# Altium PCB main.PcbDoc (part 1 of 2) (continued)
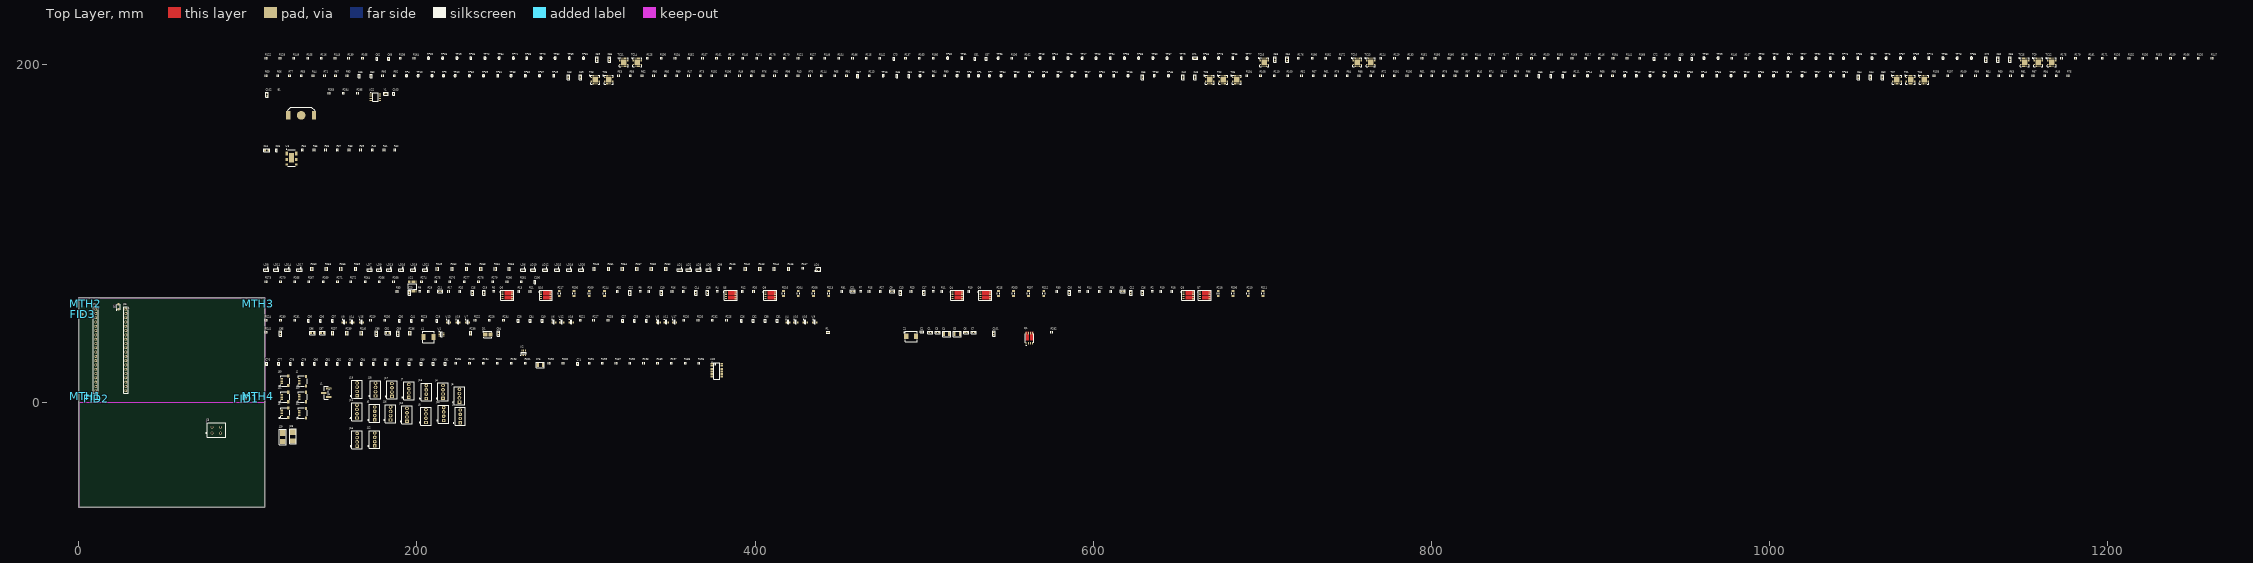
[diagram p0: Top Layer view]
## Components (designator, comment, footprint, x,y, rotation, side; value= is the part's Value field where it differs from the comment) (continued)
R119 "4.3k" RESC1005X04N 384.999,203.499 r90 top value="4.3k Ohm"
R120 "0R" RESC1005X04N 1253.797,203.499 r90 top value="0 ohm"
R121 "2M" RESC1005X04N 425.599,203.499 r90 top value="2M Ohm"
R122 "2M" RESC1005X04N 110.9,203.499 r90 top value="2M Ohm"
R123 "2M" RESC1005X04N 851.198,203.499 r90 top value="2M Ohm"
R124 "10k" RESC1005X04N 770.198,203.499 r90 top
R125 "10k" RESC1005X04N 336.399,203.499 r90 top
R126 "10k" RESC1005X04N 1204.697,203.499 r90 top
R127 "1M" RESC1005X04N 433.299,203.499 r90 top value="1M Ohm"
R128 "1M" RESC1005X04N 119.1,203.499 r90 top value="1M Ohm"
R129 "10k" RESC1005X04N 778.398,203.499 r90 top
R130 "10k" RESC1005X04N 344.599,203.499 r90 top
R131 "1M" RESC1005X04N 859.398,203.499 r90 top value="1M Ohm"
R132 "10k" RESC1005X04N 1212.897,203.499 r90 top
R133 "10k" RESC1005X04N 786.498,203.499 r90 top
R134 "10k" RESC1005X04N 352.799,203.499 r90 top
R135 "10k" RESC1005X04N 1221.097,203.499 r90 top
R136 "100" RESC1005X04N 551.999,203.499 r90 top value="100 Ohm"
R137 "100" RESC1005X04N 489.099,203.499 r90 top value="100 Ohm"
R138 "100" RESC1005X04N 190.199,203.499 r90 top value="100 Ohm"
R139 "100" RESC1005X04N 159.7,203.499 r90 top value="100 Ohm"
R140 "100" RESC1005X04N 977.898,203.499 r90 top value="100 Ohm"
R141 "100" RESC1005X04N 915.898,203.499 r90 top value="100 Ohm"
R142 "2M" RESC1005X04N 473.899,203.499 r90 top value="2M Ohm"
R143 "2M" RESC1005X04N 151.6,203.499 r90 top value="2M Ohm"
R144 "13k" RESC1005X04N 826.698,203.499 r90 top value="13k Ohm"
R145 "22k" RESC1005X04N 392.899,203.499 r90 top value="22k Ohm"
R146 "2M" RESC1005X04N 899.498,203.499 r90 top value="2M Ohm"
R147 "7.5k" RESC1005X04N 1261.997,203.499 r90 top value="7.5k Ohm"
R148 "2M" RESC1005X04N 441.399,203.499 r90 top value="2M Ohm"
R149 "2M" RESC1005X04N 127.3,203.499 r90 top value="2M Ohm"
R150 "2M" RESC1005X04N 866.998,203.499 r90 top value="2M Ohm"
R151 "10k" RESC1005X04N 794.698,203.499 r90 top
R152 "10k" RESC1005X04N 360.899,203.499 r90 top
R153 "10k" RESC1005X04N 1229.297,203.499 r90 top
R154 "1M" RESC1005X04N 449.599,203.499 r90 top value="1M Ohm"
R155 "1M" RESC1005X04N 135.5,203.499 r90 top value="1M Ohm"
R156 "10k" RESC1005X04N 802.398,203.499 r90 top
R157 "10k" RESC1005X04N 369.099,203.499 r90 top
R158 "1M" RESC1005X04N 875.198,203.499 r90 top value="1M Ohm"
R159 "10k" RESC1005X04N 1237.397,203.499 r90 top
R160 "10k" RESC1005X04N 810.598,203.499 r90 top
R161 "10k" RESC1005X04N 377.299,203.499 r90 top
R162 "100" RESC1005X04N 560.199,203.499 r90 top value="100 Ohm"
R163 "100" RESC1005X04N 497.299,203.499 r90 top value="100 Ohm"
R164 "100" RESC1005X04N 198.399,203.499 r90 top value="100 Ohm"
R165 "100" RESC1005X04N 167.9,203.499 r90 top value="100 Ohm"
R166 "10k" RESC1005X04N 1245.597,203.499 r90 top
R167 "100" RESC1005X04N 986.098,203.499 r90 top value="100 Ohm"
R168 "100" RESC1005X04N 923.498,203.499 r90 top value="100 Ohm"
R169 "2M" RESC1005X04N 883.398,203.499 r90 top value="2M Ohm"
R170 "2M" RESC1005X04N 417.399,203.499 r90 top value="2M Ohm"
R171 "43k" RESC1005X04N 1197.097,203.499 r90 top value="43k Ohm"
R172 "DNC" RESC1005X04N 745.998,203.499 r90 top value="0 ohm"
R173 "2M" RESC1005X04N 834.798,203.499 r90 top value="2M Ohm"
R174 "2M" RESC1005X04N 401.099,203.499 r90 top value="2M Ohm"
R175 "10k" RESC1005X04N 1172.997,203.499 r90 top
R176 "10k" RESC1005X04N 721.498,203.499 r90 top
R177 "1M" RESC1005X04N 842.998,203.499 r90 top value="1M Ohm"
R178 "1M" RESC1005X04N 409.199,203.499 r90 top value="1M Ohm"
R179 "10k" RESC1005X04N 1181.197,203.499 r90 top
R180 "10k" RESC1005X04N 729.698,203.499 r90 top
R181 "10k" RESC1005X04N 1189.397,203.499 r90 top
R182 "10k" RESC1005X04N 737.798,203.499 r90 top
R183 "100" RESC1005X04N 938.798,203.499 r90 top value="100 Ohm"
R184 "100" RESC1005X04N 907.698,203.499 r90 top value="100 Ohm"
R185 "100" RESC1005X04N 505.499,203.499 r90 top value="100 Ohm"
R186 "100" RESC1005X04N 457.799,203.499 r90 top value="100 Ohm"
R187 "50" RESC1005X04N 317.899,23.1 r90 top value="50 Ohm"
R188 "50" RESC1005X04N 358.799,23.1 r90 top value="50 Ohm"
R189 "50" RESC1005X04N 342.399,23.1 r90 top value="50 Ohm"
R190 "50" RESC1005X04N 326.099,23.1 r90 top value="50 Ohm"
R191 "50" RESC1005X04N 301.999,23.1 r90 top value="50 Ohm"
R192 "50" RESC1005X04N 278.299,23.1 r90 top value="50 Ohm"
R193 "50" RESC1005X04N 255.999,23.1 r90 top value="50 Ohm"
R194 "50" RESC1005X04N 239.399,23.1 r90 top value="50 Ohm"
R195 "50" RESC1005X04N 223.099,23.1 r90 top value="50 Ohm"
R196 "50" RESC1005X04N 366.899,23.1 r90 top value="50 Ohm"
R197 "50" RESC1005X04N 350.599,23.1 r90 top value="50 Ohm"
R198 "50" RESC1005X04N 334.199,23.1 r90 top value="50 Ohm"
R199 "50" RESC1005X04N 309.699,23.1 r90 top value="50 Ohm"
R200 "50" RESC1005X04N 286.499,23.1 r90 top value="50 Ohm"
R201 "50" RESC1005X04N 264.199,23.1 r90 top value="50 Ohm"
R202 "50" RESC1005X04N 247.599,23.1 r90 top value="50 Ohm"
R203 "5m" RESC3115X07N 552.799,64.4 r90 top value="5m Ohm"
R204 "5m" RESC3115X07N 425.599,64.4 r90 top value="5m Ohm"
R205 "5m" RESC3115X07N 292.899,64.4 r90 top value="5m Ohm"
R206 "5m" RESC3115X07N 682.699,64.4 r90 top value="5m Ohm"
R207 "5m" RESC3115X07N 561.799,64.4 r90 top value="5m Ohm"
R208 "5m" RESC3115X07N 434.599,64.4 r90 top value="5m Ohm"
R209 "5m" RESC3115X07N 301.899,64.4 r90 top value="5m Ohm"
R210 "5m" RESC3115X07N 691.699,64.4 r90 top value="5m Ohm"
R211 "5m" RESC3115X07N 700.499,64.4 r90 top value="5m Ohm"
R212 "5m" RESC3115X07N 570.799,64.4 r90 top value="5m Ohm"
R213 "5m" RESC3115X07N 443.599,64.4 r90 top value="5m Ohm"
R214 "5m" RESC3115X07N 310.899,64.4 r90 top value="5m Ohm"
R215 "5m" RESC3115X07N 543.999,64.4 r90 top value="5m Ohm"
R216 "5m" RESC3115X07N 416.899,64.4 r90 top value="5m Ohm"
R217 "5m" RESC3115X07N 284.199,64.4 r90 top value="5m Ohm"
R218 "5m" RESC3115X07N 673.999,64.4 r90 top value="5m Ohm"
R219 "50" RESC1005X04N 231.199,23.1 r90 top value="50 Ohm"
R220 "50" RESC1005X04N 357.999,48.5 r90 top value="50 Ohm"
R221 "50" RESC1005X04N 296.699,48.5 r90 top value="50 Ohm"
R222 "50" RESC1005X04N 234.499,48.5 r90 top value="50 Ohm"
R223 "50" RESC1005X04N 203.199,48.5 r90 top value="50 Ohm"
R224 "50" RESC1005X04N 110.9,48.5 r90 top value="50 Ohm"
R225 "50" RESC1005X04N 383.299,48.5 r90 top value="50 Ohm"
R226 "50" RESC1005X04N 366.399,48.5 r90 top value="50 Ohm"
R227 "50" RESC1005X04N 304.599,48.5 r90 top value="50 Ohm"
R228 "50" RESC1005X04N 242.899,48.5 r90 top value="50 Ohm"
R229 "50" RESC1005X04N 172.699,48.5 r90 top value="50 Ohm"
R230 "50" RESC1005X04N 119.4,48.5 r90 top value="50 Ohm"
R231 "50" RESC1005X04N 127.8,48.5 r90 top value="50 Ohm"
R232 "50" RESC1005X04N 374.799,48.5 r90 top value="50 Ohm"
R233 "50" RESC1005X04N 313.099,48.5 r90 top value="50 Ohm"
R234 "50" RESC1005X04N 251.299,48.5 r90 top value="50 Ohm"
R235 "50" RESC1005X04N 181.099,48.5 r90 top value="50 Ohm"
R236 "499k" RESC1608X06N 195.899,40.9 r90 top value="499k Ohm"
R237 "DNC" RESC1608X06N 150.1,40.9 r90 top value="0 ohm"
R238 "0R" RESC1608X06N 231.899,40.9 r90 top value="0 ohm"
R239 "0R" RESC1608X06N 158.6,40.9 r90 top value="0 ohm"
R240 "499k" RESC1608X06N 167.2,40.9 r90 top value="499k Ohm"
R241 "58k" RESC1005X04N 110.9,41.4 r90 top value="58k Ohm"
R242 "3k" RESC1608X06N 394.299,78.8 r90 top value="3k ohm"
R243 "3k" RESC1608X06N 402.899,78.8 r90 top value="3k ohm"
R244 "1.6k" RESC1608X06N 411.399,78.8 r90 top value="1.6k ohm"
R245 "1.0k" RESC1608X06N 419.999,78.8 r90 top value=1k
R246 "1K" RESC1005X04N 385.499,79.3 r90 top value="1k Ohm"
R247 "1K" RESC1005X04N 428.299,79.3 r90 top value="1k Ohm"
R248 "3k" RESC1608X06N 304.899,78.8 r90 top value="3k ohm"
R249 "3k" RESC1608X06N 212.199,78.8 r90 top value="3k ohm"
R250 "3k" RESC1608X06N 137.9,78.8 r90 top value="3k ohm"
R251 "3k" RESC1608X06N 313.499,78.8 r90 top value="3k ohm"
R252 "3k" RESC1608X06N 220.799,78.8 r90 top value="3k ohm"
R253 "3k" RESC1608X06N 146.5,78.8 r90 top value="3k ohm"
R254 "3k" RESC1608X06N 321.599,78.8 r90 top value="3k ohm"
R255 "3k" RESC1608X06N 229.399,78.8 r90 top value="3k ohm"
R256 "3k" RESC1608X06N 155.1,78.8 r90 top value="3k ohm"
R257 "3k" RESC1608X06N 330.099,78.8 r90 top value="3k ohm"
R258 "3k" RESC1608X06N 237.899,78.8 r90 top value="3k ohm"
R259 "3k" RESC1608X06N 163.7,78.8 r90 top value="3k ohm"
R260 "3k" RESC1608X06N 338.699,78.8 r90 top value="3k ohm"
R261 "3k" RESC1608X06N 246.499,78.8 r90 top value="3k ohm"
R262 "3k" RESC1608X06N 347.299,78.8 r90 top value="3k ohm"
R263 "3k" RESC1608X06N 254.599,78.8 r90 top value="3k ohm"
R264 "DNC" RESC1005X04N 169.5,71.4 r90 top value="0 ohm"
R265 "0R" RESC1005X04N 127.8,71.4 r90 top value="0 ohm"
R266 "DNC" RESC1005X04N 177.899,71.4 r90 top value="0 ohm"
R267 "0R" RESC1005X04N 136.2,71.4 r90 top value="0 ohm"
R268 "DNC" RESC1005X04N 186.299,71.4 r90 top value="0 ohm"
R269 "0R" RESC1005X04N 144.7,71.4 r90 top value="0 ohm"
R270 "10k" RESC1005X04N 119.4,71.4 r90 top
R271 "10k" RESC1005X04N 153.1,71.4 r90 top
R272 "10k" RESC1005X04N 161,71.4 r90 top
R273 "1M" RESC1005X04N 110.9,71.4 r90 top value="1M Ohm"
R274 "10k" RESC1005X04N 202.799,71.4 r90 top
R275 "10k" RESC1005X04N 211.199,71.4 r90 top
R276 "10k" RESC1005X04N 219.599,71.4 r90 top
R277 "10k" RESC1005X04N 228.099,71.4 r90 top
R278 "10k" RESC1005X04N 236.499,71.4 r90 top
R279 "10k" RESC1005X04N 244.899,71.4 r90 top
R280 "10k" RESC1005X04N 253.399,71.4 r90 top
R281 "10k" RESC1005X04N 261.799,71.4 r90 top
R282 "10k" RESC1005X04N 575.499,41.4 r90 top
R283 "10k" RESC1005X04N 148.1,182.799 r90 top
R284 "10k" RESC1005X04N 156.6,182.799 r90 top
R285 "10k" RESC1005X04N 165,182.799 r90 top
TC1 "MCP96L01T" QFN65P500X500X100_HS-21N 1083.498,190.799 r0 top value=MCP96L01T-E/MX
TC2 "MCP96L01T" QFN65P500X500X100_HS-21N 676.998,190.799 r0 top value=MCP96L01T-E/MX
TC3 "MCP96L01T" QFN65P500X500X100_HS-21N 305.399,190.799 r0 top value=MCP96L01T-E/MX
TC4 "MCP96L01T" QFN65P500X500X100_HS-21N 1091.498,190.799 r0 top value=MCP96L01T-E/MX
TC5 "MCP96L01T" QFN65P500X500X100_HS-21N 684.898,190.799 r0 top value=MCP96L01T-E/MX
TC6 "MCP96L01T" QFN65P500X500X100_HS-21N 313.399,190.799 r0 top value=MCP96L01T-E/MX
TC7 "MCP96L01T" QFN65P500X500X100_HS-21N 1075.498,190.799 r0 top value=MCP96L01T-E/MX
TC8 "MCP96L01T" QFN65P500X500X100_HS-21N 668.999,190.799 r0 top value=MCP96L01T-E/MX
TC9 "MCP96L01T" QFN65P500X500X100_HS-21N 1158.998,201.199 r0 top value=MCP96L01T-E/MX
TC10 "MCP96L01T" QFN65P500X500X100_HS-21N 756.198,201.199 r0 top value=MCP96L01T-E/MX
TC11 "MCP96L01T" QFN65P500X500X100_HS-21N 322.399,201.199 r0 top value=MCP96L01T-E/MX
TC12 "MCP96L01T" QFN65P500X500X100_HS-21N 1166.998,201.199 r0 top value=MCP96L01T-E/MX
TC13 "MCP96L01T" QFN65P500X500X100_HS-21N 764.198,201.199 r0 top value=MCP96L01T-E/MX
TC14 "MCP96L01T" QFN65P500X500X100_HS-21N 330.399,201.199 r0 top value=MCP96L01T-E/MX
TC15 "MCP96L01T" QFN65P500X500X100_HS-21N 1150.998,201.199 r0 top value=MCP96L01T-E/MX
TC16 "MCP96L01T" QFN65P500X500X100_HS-21N 701.198,201.199 r0 top value=MCP96L01T-E/MX
TP1 "TP_SMT_1MM_CIR" TP_SMT_1.0MM_CIR 532.199,193.199 r0 top value=TP_1mm
TP2 "TP_SMT_1MM_CIR" TP_SMT_1.0MM_CIR 519.499,193.199 r90 top value=TP_1mm
TP3 "TP_SMT_1MM_CIR" TP_SMT_1.0MM_CIR 208.899,193.199 r90 top value=TP_1mm
TP4 "TP_SMT_1MM_CIR" TP_SMT_1.0MM_CIR 193.799,193.199 r90 top value=TP_1mm
TP5 "TP_SMT_1MM_CIR" TP_SMT_1.0MM_CIR 937.598,193.199 r90 top value=TP_1mm
TP6 "TP_SMT_1MM_CIR" TP_SMT_1.0MM_CIR 914.398,193.199 r90 top value=TP_1mm
TP7 "TP_SMT_1MM_CIR" TP_SMT_1.0MM_CIR 538.599,193.199 r90 top value=TP_1mm
TP8 "TP_SMT_1MM_CIR" TP_SMT_1.0MM_CIR 526.399,193.199 r90 top value=TP_1mm
TP9 "TP_SMT_1MM_CIR" TP_SMT_1.0MM_CIR 215.699,193.199 r90 top value=TP_1mm
TP10 "TP_SMT_1MM_CIR" TP_SMT_1.0MM_CIR 200.699,193.199 r90 top value=TP_1mm
TP11 "TP_SMT_1MM_CIR" TP_SMT_1.0MM_CIR 944.498,193.199 r90 top value=TP_1mm
TP12 "TP_SMT_1MM_CIR" TP_SMT_1.0MM_CIR 921.298,193.199 r90 top value=TP_1mm
TP13 "TP_SMT_1MM_CIR" TP_SMT_1.0MM_CIR 929.398,193.199 r90 top value=TP_1mm
TP14 "TP_SMT_1MM_CIR" TP_SMT_1.0MM_CIR 892.398,193.199 r90 top value=TP_1mm
TP15 "TP_SMT_1MM_CIR" TP_SMT_1.0MM_CIR 497.599,193.199 r90 top value=TP_1mm
TP16 "TP_SMT_1MM_CIR" TP_SMT_1.0MM_CIR 475.799,193.199 r90 top value=TP_1mm
TP17 "TP_SMT_1MM_CIR" TP_SMT_1.0MM_CIR 593.499,203.599 r90 top value=TP_1mm
TP18 "TP_SMT_1MM_CIR" TP_SMT_1.0MM_CIR 568.599,203.599 r90 top value=TP_1mm
TP19 "TP_SMT_1MM_CIR" TP_SMT_1.0MM_CIR 223.599,203.599 r90 top value=TP_1mm
TP20 "TP_SMT_1MM_CIR" TP_SMT_1.0MM_CIR 206.799,203.599 r90 top value=TP_1mm
TP21 "TP_SMT_1MM_CIR" TP_SMT_1.0MM_CIR 1011.298,203.599 r90 top value=TP_1mm
TP22 "TP_SMT_1MM_CIR" TP_SMT_1.0MM_CIR 994.498,203.599 r90 top value=TP_1mm
TP23 "TP_SMT_1MM_CIR" TP_SMT_1.0MM_CIR 601.699,203.599 r90 top value=TP_1mm
TP24 "TP_SMT_1MM_CIR" TP_SMT_1.0MM_CIR 576.699,203.599 r90 top value=TP_1mm
TP25 "TP_SMT_1MM_CIR" TP_SMT_1.0MM_CIR 231.799,203.599 r90 top value=TP_1mm
TP26 "TP_SMT_1MM_CIR" TP_SMT_1.0MM_CIR 215.199,203.599 r90 top value=TP_1mm
TP27 "TP_SMT_1MM_CIR" TP_SMT_1.0MM_CIR 1019.198,203.599 r90 top value=TP_1mm
TP28 "TP_SMT_1MM_CIR" TP_SMT_1.0MM_CIR 1002.898,203.599 r90 top value=TP_1mm
TP29 "TP_SMT_1MM_CIR" TP_SMT_1.0MM_CIR 969.698,203.599 r90 top value=TP_1mm
TP30 "TP_SMT_1MM_CIR" TP_SMT_1.0MM_CIR 961.298,203.599 r90 top value=TP_1mm
TP31 "TP_SMT_1MM_CIR" TP_SMT_1.0MM_CIR 522.299,203.599 r90 top value=TP_1mm
TP32 "TP_SMT_1MM_CIR" TP_SMT_1.0MM_CIR 513.899,203.599 r90 top value=TP_1mm
TP33 "TP_SMT_1MM_CIR" TP_SMT_1.0MM_CIR 636.099,193.199 r90 top value=TP_1mm
TP34 "TP_SMT_1MM_CIR" TP_SMT_1.0MM_CIR 612.199,193.199 r90 top value=TP_1mm
TP35 "TP_SMT_1MM_CIR" TP_SMT_1.0MM_CIR 587.499,193.199 r90 top value=TP_1mm
TP36 "TP_SMT_1MM_CIR" TP_SMT_1.0MM_CIR 562.299,193.199 r90 top value=TP_1mm
TP37 "TP_SMT_1MM_CIR" TP_SMT_1.0MM_CIR 272.499,193.199 r90 top value=TP_1mm
TP38 "TP_SMT_1MM_CIR" TP_SMT_1.0MM_CIR 255.699,193.199 r90 top value=TP_1mm
TP39 "TP_SMT_1MM_CIR" TP_SMT_1.0MM_CIR 239.399,193.199 r90 top value=TP_1mm
TP40 "TP_SMT_1MM_CIR" TP_SMT_1.0MM_CIR 222.599,193.199 r90 top value=TP_1mm
TP41 "TP_SMT_1MM_CIR" TP_SMT_1.0MM_CIR 1036.098,193.199 r90 top value=TP_1mm
TP42 "TP_SMT_1MM_CIR" TP_SMT_1.0MM_CIR 1010.898,193.199 r90 top value=TP_1mm
TP43 "TP_SMT_1MM_CIR" TP_SMT_1.0MM_CIR 985.698,193.199 r90 top value=TP_1mm
TP44 "TP_SMT_1MM_CIR" TP_SMT_1.0MM_CIR 960.498,193.199 r90 top value=TP_1mm
TP45 "TP_SMT_1MM_CIR" TP_SMT_1.0MM_CIR 644.499,193.199 r90 top value=TP_1mm
TP46 "TP_SMT_1MM_CIR" TP_SMT_1.0MM_CIR 620.599,193.199 r90 top value=TP_1mm
TP47 "TP_SMT_1MM_CIR" TP_SMT_1.0MM_CIR 595.899,193.199 r90 top value=TP_1mm
TP48 "TP_SMT_1MM_CIR" TP_SMT_1.0MM_CIR 570.699,193.199 r90 top value=TP_1mm
TP49 "TP_SMT_1MM_CIR" TP_SMT_1.0MM_CIR 280.899,193.199 r90 top value=TP_1mm
TP50 "TP_SMT_1MM_CIR" TP_SMT_1.0MM_CIR 264.099,193.199 r90 top value=TP_1mm
TP51 "TP_SMT_1MM_CIR" TP_SMT_1.0MM_CIR 247.799,193.199 r90 top value=TP_1mm
TP52 "TP_SMT_1MM_CIR" TP_SMT_1.0MM_CIR 230.999,193.199 r90 top value=TP_1mm
TP53 "TP_SMT_1MM_CIR" TP_SMT_1.0MM_CIR 1043.998,193.199 r90 top value=TP_1mm
TP54 "TP_SMT_1MM_CIR" TP_SMT_1.0MM_CIR 1019.298,193.199 r90 top value=TP_1mm
TP55 "TP_SMT_1MM_CIR" TP_SMT_1.0MM_CIR 994.098,193.199 r90 top value=TP_1mm
TP56 "TP_SMT_1MM_CIR" TP_SMT_1.0MM_CIR 968.898,193.199 r90 top value=TP_1mm
TP57 "TP_SMT_1MM_CIR" TP_SMT_1.0MM_CIR 1027.698,193.199 r90 top value=TP_1mm
TP58 "TP_SMT_1MM_CIR" TP_SMT_1.0MM_CIR 1002.498,193.199 r90 top value=TP_1mm
TP59 "TP_SMT_1MM_CIR" TP_SMT_1.0MM_CIR 977.298,193.199 r90 top value=TP_1mm
TP60 "TP_SMT_1MM_CIR" TP_SMT_1.0MM_CIR 952.098,193.199 r90 top value=TP_1mm
TP61 "TP_SMT_1MM_CIR" TP_SMT_1.0MM_CIR 604.299,193.199 r90 top value=TP_1mm
TP62 "TP_SMT_1MM_CIR" TP_SMT_1.0MM_CIR 579.099,193.199 r90 top value=TP_1mm
TP63 "TP_SMT_1MM_CIR" TP_SMT_1.0MM_CIR 553.899,193.199 r90 top value=TP_1mm
TP64 "TP_SMT_1MM_CIR" TP_SMT_1.0MM_CIR 545.499,193.199 r90 top value=TP_1mm
TP65 "TP_SMT_1MM_CIR" TP_SMT_1.0MM_CIR 682.598,203.599 r90 top value=TP_1mm
TP66 "TP_SMT_1MM_CIR" TP_SMT_1.0MM_CIR 665.799,203.599 r90 top value=TP_1mm
TP67 "TP_SMT_1MM_CIR" TP_SMT_1.0MM_CIR 643.699,203.599 r90 top value=TP_1mm
TP68 "TP_SMT_1MM_CIR" TP_SMT_1.0MM_CIR 626.899,203.599 r90 top value=TP_1mm
TP69 "TP_SMT_1MM_CIR" TP_SMT_1.0MM_CIR 290.099,203.599 r90 top value=TP_1mm
TP70 "TP_SMT_1MM_CIR" TP_SMT_1.0MM_CIR 273.299,203.599 r90 top value=TP_1mm
TP71 "TP_SMT_1MM_CIR" TP_SMT_1.0MM_CIR 256.999,203.599 r90 top value=TP_1mm
TP72 "TP_SMT_1MM_CIR" TP_SMT_1.0MM_CIR 240.199,203.599 r90 top value=TP_1mm
TP73 "TP_SMT_1MM_CIR" TP_SMT_1.0MM_CIR 1111.098,203.599 r90 top value=TP_1mm
TP74 "TP_SMT_1MM_CIR" TP_SMT_1.0MM_CIR 1094.298,203.599 r90 top value=TP_1mm
TP75 "TP_SMT_1MM_CIR" TP_SMT_1.0MM_CIR 1069.098,203.599 r90 top value=TP_1mm
TP76 "TP_SMT_1MM_CIR" TP_SMT_1.0MM_CIR 1043.898,203.599 r90 top value=TP_1mm
TP77 "TP_SMT_1MM_CIR" TP_SMT_1.0MM_CIR 690.998,203.599 r90 top value=TP_1mm
TP78 "TP_SMT_1MM_CIR" TP_SMT_1.0MM_CIR 674.198,203.599 r90 top value=TP_1mm
TP79 "TP_SMT_1MM_CIR" TP_SMT_1.0MM_CIR 652.099,203.599 r90 top value=TP_1mm
TP80 "TP_SMT_1MM_CIR" TP_SMT_1.0MM_CIR 635.299,203.599 r90 top value=TP_1mm
TP81 "TP_SMT_1MM_CIR" TP_SMT_1.0MM_CIR 298.499,203.599 r90 top value=TP_1mm
TP82 "TP_SMT_1MM_CIR" TP_SMT_1.0MM_CIR 281.699,203.599 r90 top value=TP_1mm
TP83 "TP_SMT_1MM_CIR" TP_SMT_1.0MM_CIR 264.899,203.599 r90 top value=TP_1mm
TP84 "TP_SMT_1MM_CIR" TP_SMT_1.0MM_CIR 248.599,203.599 r90 top value=TP_1mm
TP85 "TP_SMT_1MM_CIR" TP_SMT_1.0MM_CIR 1119.498,203.599 r90 top value=TP_1mm
TP86 "TP_SMT_1MM_CIR" TP_SMT_1.0MM_CIR 1102.698,203.599 r90 top value=TP_1mm
TP87 "TP_SMT_1MM_CIR" TP_SMT_1.0MM_CIR 1077.498,203.599 r90 top value=TP_1mm
TP88 "TP_SMT_1MM_CIR" TP_SMT_1.0MM_CIR 1052.298,203.599 r90 top value=TP_1mm
TP89 "TP_SMT_1MM_CIR" TP_SMT_1.0MM_CIR 1085.898,203.599 r90 top value=TP_1mm
TP90 "TP_SMT_1MM_CIR" TP_SMT_1.0MM_CIR 1060.698,203.599 r90 top value=TP_1mm
TP91 "TP_SMT_1MM_CIR" TP_SMT_1.0MM_CIR 1035.998,203.599 r90 top value=TP_1mm
TP92 "TP_SMT_1MM_CIR" TP_SMT_1.0MM_CIR 1027.598,203.599 r90 top value=TP_1mm
TP93 "TP_SMT_1MM_CIR" TP_SMT_1.0MM_CIR 618.499,203.599 r90 top value=TP_1mm
TP94 "TP_SMT_1MM_CIR" TP_SMT_1.0MM_CIR 610.099,203.599 r90 top value=TP_1mm
TP95 "TP_SMT_1MM_CIR" TP_SMT_1.0MM_CIR 585.099,203.599 r90 top value=TP_1mm
TP96 "TP_SMT_1MM_CIR" TP_SMT_1.0MM_CIR 543.799,203.599 r90 top value=TP_1mm
U1 "TPP362081" SOT95P280X95-6N 214.499,40.2 r0 top value=TPP362081-T6TR
U2 "AP74700QW6-7" SOT95P285X140-6N 263.15,29.225 r90 top
U3 "PCA9685PW" SOP65P640X120-29N 125.8,144.599 r0 top value=PCA9685PW,118
U4 "TSC214IYCT" SOT65P210X110-6N 419.499,47.6 r0 top
U5 "TSC214IYCT" SOT65P210X110-6N 342.799,47.6 r0 top
U6 "TSC214IYCT" SOT65P210X110-6N 280.999,47.6 r0 top
U7 "TSC214IYCT" SOT65P210X110-6N 229.899,47.6 r0 top
U8 "TSC214IYCT" SOT65P210X110-6N 157,47.6 r0 top
U9 "TSC214IYCT" SOT65P210X110-6N 435.299,47.6 r0 top
U10 "TSC214IYCT" SOT65P210X110-6N 424.099,47.6 r0 top
U11 "TSC214IYCT" SOT65P210X110-6N 347.399,47.6 r0 top
U12 "TSC214IYCT" SOT65P210X110-6N 285.599,47.6 r0 top
U13 "TSC214IYCT" SOT65P210X110-6N 218.699,47.6 r0 top
U14 "TSC214IYCT" SOT65P210X110-6N 161.6,47.6 r0 top
U15 "TSC214IYCT" SOT65P210X110-6N 167.2,47.6 r0 top
U16 "TSC214IYCT" SOT65P210X110-6N 429.699,47.6 r0 top
U17 "TSC214IYCT" SOT65P210X110-6N 352.399,47.6 r0 top
U18 "TSC214IYCT" SOT65P210X110-6N 291.199,47.6 r0 top
U19 "TSC214IYCT" SOT65P210X110-6N 224.299,47.6 r0 top
U20 "TPC5120S16-TS7R-S" TSSOP50P640X120-38N 377.399,18.5 r0 top
U21 "TCA9546A" SOP65P640X120-16N 197.299,68.5 r90 top value=TCA9546APWR
U22 "PCF85263AT" SOIC127P600X175-8N 175.399,180.499 r0 top value=PCF85263AT/AJ
Y1 "32.768kHz" XTAL_ECS_ECX-12Q 181.699,182.599 r0 top
Z1 "SMCJ30CA" DIOM6959X26N 492.299,39 r0 top

## Footprints (in the part's own frame and the unit in brackets; to place one, negate y for a bottom-side part, rotate by r counter-clockwise, add the part's x,y. Pads: shape width x height; smd on the part's side, far side on the other; paste and mask are expansions set on the pad)
AVX_709296001003006 [mm] "AVX Poke-In, 709296001003006"
  rect 2.9x3.4 smd: 1(-2.75,0)
  rect 3.5x3.4 smd: 1(2.45,0)
  silkscreen extent -4.5,-2 4.5,2, body extent -4,-1.5 4,1.5, height 3
BAT-HLD-012-SMT [mm] "BAT-HLD-012-SMT"
  round 5.1 smd: 1(0,0)
  rect 2.5x5.1 smd: 2(-7.65,0) 2(7.65,0)
  silkscreen extent -7.85,2.9 7.9,4.7, body extent -7.62,-4.85 7.62,4.55, height 3.56
CAPC1005X06N [mm] "Chip Capacitor, 2-Leads, Body 1.00x0.50mm, IPC Medium Density"
  rect 0.66x0.62 smd: 1(-0.44,0) 2(0.44,0)
  silkscreen extent -0.95,-0.5 0.95,0.5, body extent -0.52,-0.27 0.53,0.28, height 0.55
CAPC1608X09N [mm] "Chip Capacitor, 2-Leads, Body 1.60x0.80mm, IPC Medium Density"
  rect 1x0.95 smd: 1(-0.75,0) 2(0.75,0)
  silkscreen extent -1.5,-0.75 1.5,0.75, body extent -0.85,-0.45 0.85,0.45, height 0.9
CAPC2012X14N [mm] "Chip Capacitor, 2-Leads, Body 2.00x1.25mm, IPC Medium Density"
  rect 1.05x1.45 smd: 1(-0.925,0) 2(0.925,0)
  silkscreen extent -1.7,-1 1.7,1, body extent -1.1,-0.72 1.1,0.73, height 1.45
CAPC3225X28N [mm] "Chip Capacitor, 2-Leads, Body 3.20x2.50mm, IPC Medium Density"
  rect 1.25x2.8 smd: 1(-1.525,0) 2(1.525,0)
  silkscreen extent -2.4,-1.65 2.4,1.65, body extent -1.8,-1.4 1.8,1.4, height 2.8
CONN_ADAM_TECH_PH1-20-UA [mm] "CONN_ADAM_TECH_PH1-20-UA"
  rrect20% 1.72x1.72 hole 1.02: 1(-24.13,0)
  round 1.72 hole 1.02: 2(-21.59,0) 3(-19.05,0) 4(-16.51,0) 5(-13.97,0) 6(-11.43,0) 7(-8.89,0) 8(-6.35,0) 9(-3.81,0) 10(-1.27,0) 11(1.27,0) 12(3.81,0) 13(6.35,0) 14(8.89,0) 15(11.43,0) 16(13.97,0) 17(16.51,0) 18(19.05,0) 19(21.59,0) 20(24.13,0)
  silkscreen extent -25.5,-1.35 25.5,1.35, body extent -25.4,-1.24 25.4,1.26, height 8.5
CONN_JST_SM04B-SRSS-TB_JST [mil] "CONN_JST_SM04B-SRSS-TB_JST"
  rect 26x61 smd paste+0 mask+0: 1(59.06,-82.62) 2(19.69,-82.62) 3(-19.69,-82.62) 4(-59.06,-82.62)
  rect 75x51 smd paste+0 mask+0: 5(-110.24,69.94) 6(110.24,69.94)
  silkscreen extent -123,-148 132,103, body extent -118,-97 118,98, height 118
CONN_PHOENIX_1725672 [mm] "CONN_PHOENIX_1725672"
  rect 2x2.2 hole 1.1: 1(-3.81,0)
  oval 2x2.2 hole 1.1: 2(-1.27,0) 3(1.27,0) 4(3.81,0)
  silkscreen extent -5.31,-3.1 5.31,4.1, body extent -5.38,-3.1 5.3,3.1, height 8.5
CONN_PHOENIX_1862042 [mm] "CONN_PHOENIX_1862042"
  round 1.65 hole 1.1: 1(2.5,3) 1(2.5,8) 2(6,8) 2(6,3)
  silkscreen extent 0,0 8.5,11.7, body extent 0,0 8.5,11, height 10.2
CONN_SAMTEC_TSM-103-01-F-SV [mm] "CONN SAMTEC TSM-103-01-F-SV"
  rect 1.27x3.43 smd: 1(2.54,-1.46) 2(0,1.46) 3(-2.54,-1.46)
  silkscreen extent -3.81,-1.27 3.81,1.27, body extent -3.81,-2.64 3.81,2.64, height 9.65
DIOM4336X25N [mm] "Molded Diode, 2-Leads, Body 4.31x3.62mm, IPC Medium Density"
  rect 2.5x2.15 smd: 1(-1.575,0) 2(1.575,0)
  silkscreen extent -3.05,-2 2.3,2, body extent -2.5,-1.97 2.51,1.97, height 2.5
DIOM6959X26N [mm] "Molded Diode, 2-Leads, Body 6.86x5.91mm, IPC Medium Density"
  rect 2.45x3.15 smd: 1(-2.85,0) 2(2.85,0)
  silkscreen extent -4.44,-3.15 3.6,3.15, body extent -3.77,-3.11 3.78,3.11, height 2.62
FID [mm] "1.3mm Fiducial"
  round 1.3 smd paste-1.3 mask+1.3: 1(0,0)
  Top Layer pour cut-out: -1.95,0 -1.802,0.746 -1.379,1.379 -0.746,1.802 0,1.95 0,1.95 0.746,1.802 1.379,1.379 1.802,0.746 1.95,0 1.95,0 1.802,-0.746 1.379,-1.379 0.746,-1.802 0,-1.95 0,-1.95 -0.746,-1.802 -1.379,-1.379 -1.802,-0.746 -1.95,0
INDM6565X30N [mm] "Molded Inductor, 2-Leads, Body 6.47x6.47mm, IPC Medium Density"
  rect 2.5x3.4 smd: 1(-2.921,0) 2(2.921,0)
  silkscreen extent -3.4,-3.4 3.4,3.4, body extent -3.84,-3.36 3.84,3.36, height 3
INF-PG-TDSON-8-4 [mm] "SON,1.27mm pitch;8 pin,5.15mm W X 5.90mm L X 1mm H body"
  rect 1.2x0.65 smd paste+0 mask+0: 1(-2.825,1.905) 2(-2.825,0.635) 3(-2.825,-0.635) 4(-2.825,-1.905)
  rect 1.2x0.7 smd paste+0 mask+0: 5(2.825,-2.005) 6(2.825,-0.675) 8(2.825,2.005)
  rect 1.2x0.69 smd paste+0 mask+0: 7(2.825,0.675)
  Top Layer region: 3.425,2.35 3.425,1.65 2.925,1.65 2.925,1.015 3.425,1.015 3.425,0.325 -1.575,0.325 -1.575,2.35
  Top Layer region: 3.425,-2.35 3.425,-1.65 2.925,-1.65 2.925,-1.015 3.425,-1.015 3.425,-0.325 -1.575,-0.325 -1.575,-2.35
  silkscreen extent -4.37,-2.9 3.8,2.9, body extent -3.07,-2.69 3.08,2.7, height 1.01
INF-PG-TDSON-8-61-V [mm] "PG-TDSON-8, SMD, 1.27 mm Pitch, 8 Pin, 5.48 mm L X 5.15 mm W X 1.10 mm H body"
  rect 1.5x0.6 smd paste-0.3 mask+0: 1(-3.02,1.905) 2(-3.02,0.635) 3(-3.02,-0.635) 4(-3.02,-1.905)
  rect 1.5x0.6 smd paste-0.3 mask-0.3: 5(3.02,-1.905) 6(3.02,-0.635) 7(3.02,0.635) 8(3.02,1.905)
  Top Layer region: -1.075,0.335 3.77,0.335 3.77,0.935 2.42,0.935 2.42,1.605 3.77,1.605 3.77,2.205 -1.075,2.205
  Top Layer region: -1.075,-0.335 3.77,-0.335 3.77,-0.935 2.42,-0.935 2.42,-1.605 3.77,-1.605 3.77,-2.205 -1.075,-2.205
  silkscreen extent -4.44,-2.6 2.8,2.6, body extent -3.22,-2.7 3.22,2.71, height 1.11
LED_0603_BLUE [mm] "Lite-On Blue 0603 Chip LED"
  rect 0.8x0.8 smd: 1(0.75,0) 2(-0.75,0)
  silkscreen extent -1.5,-0.7 1.5,1.6, body extent -0.8,-0.4 0.8,0.4, height 0.55
LED_0603_GREEN [mm] "Lite-On Green 0603 Chip LED"
  rect 0.8x0.8 smd: 1(0.75,0) 2(-0.75,0)
  silkscreen extent -1.5,-0.7 1.5,1.6, body extent -0.8,-0.4 0.8,0.4, height 0.8
LED_0603_RED [mm] "Lite-On Red 0603 Chip LED"
  rect 0.8x0.8 smd: 1(0.75,0) 2(-0.75,0)
  silkscreen extent -1.5,-0.7 1.5,1.6, body extent -0.8,-0.4 0.8,0.4, height 0.8
LED_0603_YELLOW [mm] "Lite-On Yellow 0603 Chip LED"
  rect 0.8x0.8 smd: 1(0.75,0) 2(-0.75,0)
  silkscreen extent -1.5,-0.7 1.5,1.6, body extent -0.8,-0.4 0.8,0.4, height 0.8
LED_INOLUX_IN-PI15TAT5R5G5B [mm] "LED_INOLUX_IN-PI15TAT5R5G5B"
  rect 0.55x0.55 smd: 1(-0.675,-0.675) 2(0.675,-0.675) 3(0.675,0.675) 4(-0.675,0.675)
  silkscreen extent -2.2,-1.3 1.3,1.3, body extent -0.75,-0.75 0.75,0.75, height 0.41
MTGNP700H325Z700P [mm] "3mm Screw Mouted Through Hole"
  round 0 hole 3.25 unplated mask+0: 1(0,0)
  Top Layer pour cut-out: -3.5,0 -3.234,-1.339 -2.475,-2.475 -1.339,-3.234 0,-3.5 0,-3.5 1.339,-3.234 2.475,-2.475 3.234,-1.339 3.5,0 3.5,0 3.234,1.339 2.475,2.475 1.339,3.234 0,3.5 0,3.5 -1.339,3.234 -2.475,2.475 -3.234,1.339 -3.5,0
  Bottom Layer pour cut-out: -3.5,0 -3.234,-1.339 -2.475,-2.475 -1.339,-3.234 0,-3.5 0,-3.5 1.339,-3.234 2.475,-2.475 3.234,-1.339 3.5,0 3.5,0 3.234,1.339 2.475,2.475 1.339,3.234 0,3.5 0,3.5 -1.339,3.234 -2.475,2.475 -3.234,1.339 -3.5,0
QFN65P500X500X100_HS-21N [mm] "QFN, 20-Leads, Body 5.00x5.00mm, Pitch 0.65mm, Thermal Pad 3.25x3.25mm, IPC Medium Density"
  rect 0.9x0.3 smd: 1(-2.4,1.3) 2(-2.4,0.65) 3(-2.4,0) 4(-2.4,-0.65) 5(-2.4,-1.3) 11(2.4,-1.3) 12(2.4,-0.65) 13(2.4,0) 14(2.4,0.65) 15(2.4,1.3)
  rect 0.3x0.9 smd: 6(-1.3,-2.4) 7(-0.65,-2.4) 8(0,-2.4) 9(0.65,-2.4) 10(1.3,-2.4) 16(1.3,2.4) 17(0.65,2.4) 18(0,2.4) 19(-0.65,2.4) 20(-1.3,2.4)
  rect 3.25x3.25 smd: 21(0,0)
  silkscreen extent -3.47,-2.7 2.7,2.7, body extent -2.55,-2.55 2.55,2.55, height 1
RESC1005X04N [mm] "Chip Resistor, 2-Leads, Body 1.00x0.50mm, IPC Medium Density"
  rect 0.55x0.55 smd: 1(-0.45,0) 2(0.45,0)
  silkscreen extent -0.64,-0.51 0.64,0.51, body extent -0.52,-0.27 0.53,0.28, height 0.4
RESC1608X06N [mm] "Chip Resistor, 2-Leads, Body 1.60x0.85mm, IPC Medium Density"
  rect 0.95x0.95 smd: 1(-0.75,0) 2(0.75,0)
  silkscreen extent -1.1,-0.65 1.1,0.65, body extent -0.87,-0.47 0.88,0.48, height 0.55
RESC3115X07N [mm] "Chip Resistor, 2-Leads, Body 3.13x1.55mm, IPC Medium Density"
  rect 1.2x1.65 smd: 1(-1.4,0) 2(1.4,0)
  silkscreen extent -0.4,-0.72 0.4,0.72, body extent -1.62,-0.82 1.63,0.83, height 0.7